# Altium PCB Length Bar Comparator.PcbDoc (part 2 of 6) (continued)
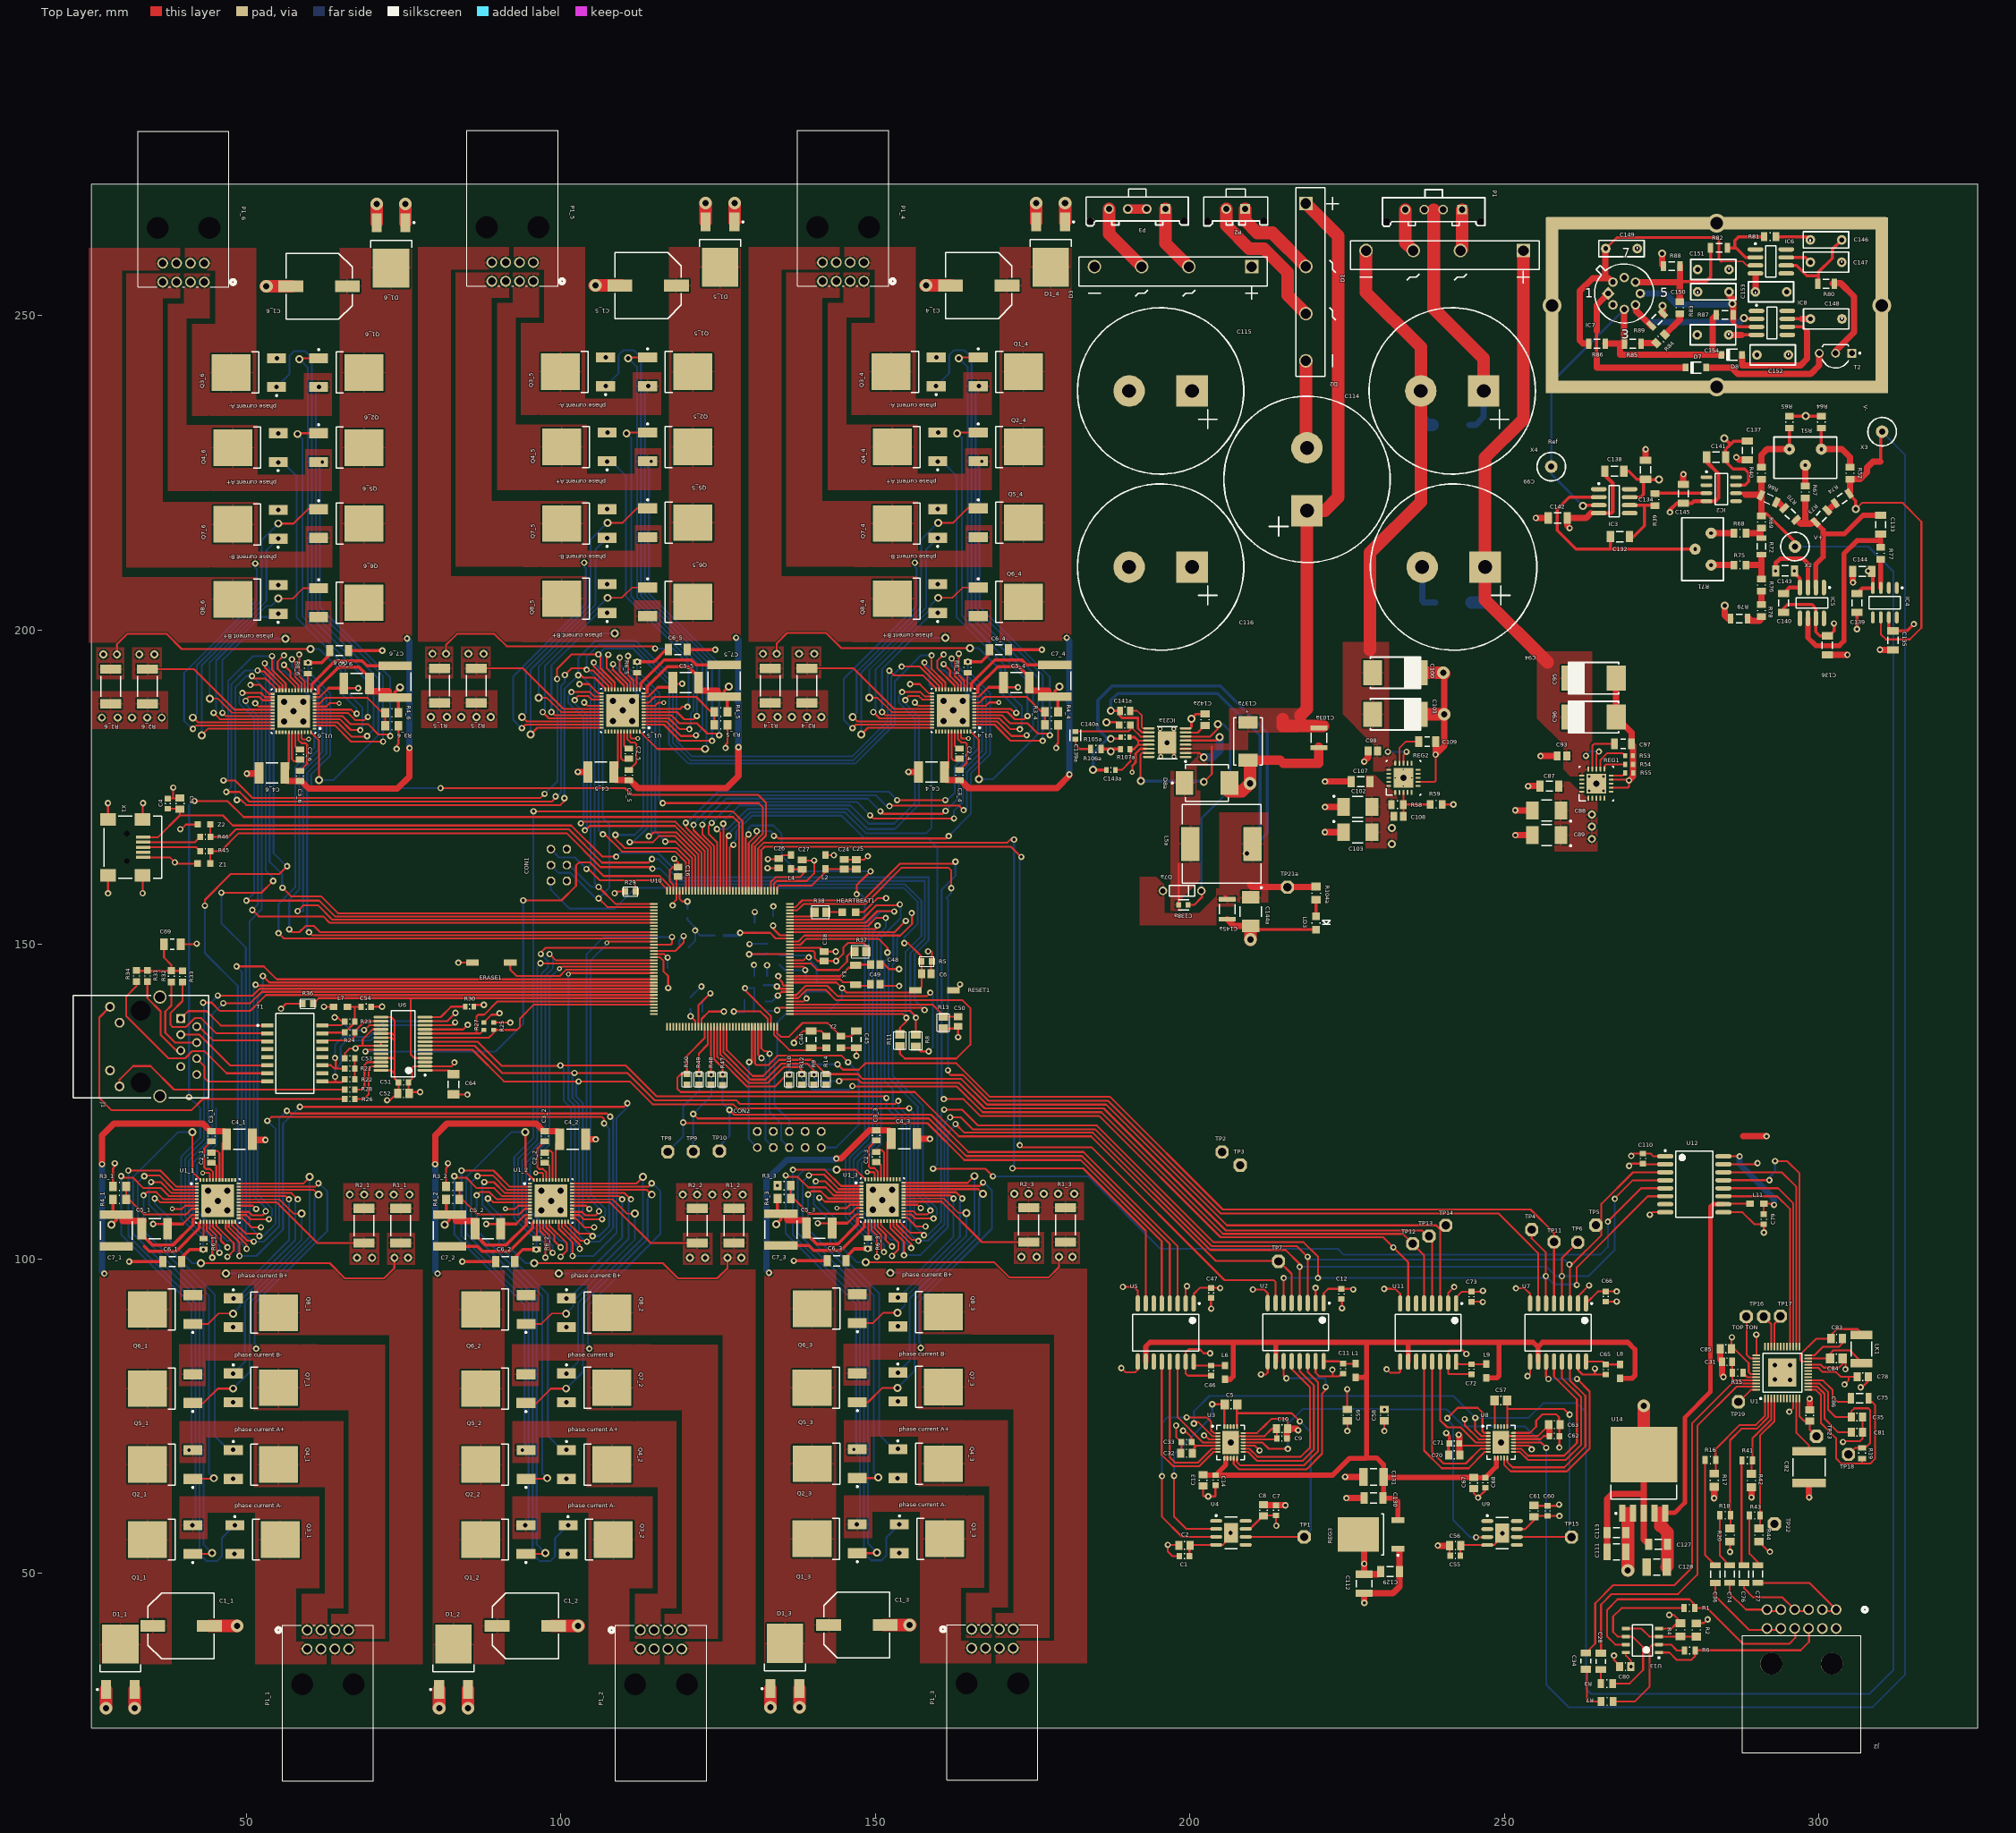
[diagram p0: Top Layer view]
## Part data (continued)
C75: library part CMP-1037-02011-1, "CAP 330pF 100V ±1% 1206 (3216 Metric) Thickness 1.7mm SMD", Case-EIA=1206, Case-Metric=3216, Rated Voltage="100 V", Tolerance=±1%, Max Thickness="1.7 mm", Technology=SMT
C78: library part CMP-1036-04706-1, "CAP 680nF 25V ±10% 0805 (2012 Metric) Thickness 1mm SMD", Case-EIA=0805, Case-Metric=2012, Rated Voltage="25 V", Tolerance=±10%, Max Thickness="1 mm", Technology=SMT
C84: library part CMP-1036-04654-1, "CAP 470nF 50V ±10% 0805 (2012 Metric) Thickness 1.45mm SMD", Case-EIA=0805, Case-Metric=2012, Rated Voltage="50 V", Tolerance=±10%, Max Thickness="1.45 mm", Technology=SMT
C87 C107 C113 C127 C129 C130: library part CMP-1037-04187-1, "CAP 100nF 25V ±2% 1206 (3216 Metric) Thickness 1.9mm SMD", Case-EIA=1206, Case-Metric=3216, Rated Voltage="25 V", Tolerance=±2%, Max Thickness="1.9 mm", Technology=SMT
C88 C89 C102 C103 C144a: library part CMP-2000-07295-1, "Low ESR, 22 uF, 25 V, +/- 10%, -55 to 125 degC, 2-Pin SMD, RoHS, Tape and Reel", Capacitance=22µF, ESR (Equivalent Series Resistance)=275mOhm, Lifetime @ Temp.=-, Manufacturer=AVX, Manufacturer Size Code=C, Operating Temperature=-55°C~125°C, Package / Case=2312(6032Metric), Package Description="2-Pin Surface Mount Device, Body 6 x 3.25 mm", Package Reference=CAPMP06032X28-T, Standard Package=1, Tolerance=±10%, Voltage - Rated=25V, Category=Capacitors, Datasheet URL=http://datasheets.avx.com/TPS.pdf, Datasheet Version=01/2017, Family=TantalumCapacitors, Featured Product=TPSCapacitors, Features=GeneralPurpose, Lead Spacing=-, Manufacturer URL=http://www.avx.com/, Mounting Technology=SurfaceMount, Mounting Type=SurfaceMount, Online Catalog=TPSSeries, Other Names=478-3102-6, Package URL=http://www.avx.com/download/software/literature/AVX-Footprint-Library.pdf, Packaging=Digi-Reel®, Product Training Modules=ComponentSolutionsforSmartMeterApplications, Series=TPS, Type=Molded
  C88 C89 C102 C103: Height - Seated (Max)="0.110\"(2.80mm)", Size / Dimension="0.236\"Lx0.126\"W(6.00mmx3.20mm)"
C93 C97 C98 C108 C109: library part Cap, "Capacitor", LatestRevisionDate=17-Jul-2002, LatestRevisionNote="Re-released for DXP Platform.", PackageDescription="Radial Cap, Thru-Hole; 2 Leads; 0.3 in Pin Spacing", PackageReference=RAD-0.3, Published=8-Jun-2000, Publisher="Altium Limited"
C95 C96 C100 C101: library part "Polar Capacitor"
C103a C145a: library part CMP-2000-07444-1, "Chip Capacitor, 10 uF, +/- 10%, 50 V, -55 to 125 degC, 1210 (3225 Metric), RoHS, Tape and Reel", Capacitance=10uF, Case/Package=1210, Case Code (Metric)=3225, Dielectric=X7S, Manufacturer=TDK, Max Operating Temperature=125degC, Min Operating Temperature=-55degC, Package Description="2-Pin Surface Mount Device, Body 3.2 x 2.5 mm", Package Quantity=1, Tolerance=10%, Voltage=50V, Case Code (Imperial)=1210, Composition=Ceramic, Datasheet URL=https://product.tdk.com/info/en/catalog/datasheets/mlcc_automotive_general_en.pdf, Datasheet Version=12/2014, Depth=2.5mm, Height=2.5mm, Lead Free=LeadFree, Length=3.2mm, Manufacturer URL=http://www.tdk.com/, Mounting Technology=SurfaceMount, Package Reference=1210, Packaging=TapeandReel, REACH SVHC=NoSVHC, RoHSCompliant=True, Termination=SMD/SMT, Thickness=0.11inch, Voltage Rating=50V, Voltage Rating (DC)=50V, Weight=0.000564oz, Width=0.098inch
C111 C112: library part CMP-1038-02218-1, "CAP 10uF 16V ±20% 1210 (3225 Metric) Thickness 2.3mm SMD", Case-EIA=1210, Case-Metric=3225, Rated Voltage="16 V", Tolerance=±20%, Max Thickness="2.3 mm", Technology=SMT
C128 C131: library part CMP-1038-02302-1, "CAP 100uF 6.3V ±20% 1210 (3225 Metric) Thickness 2.8mm SMD", Case-EIA=1210, Case-Metric=3225, Rated Voltage="6.3 V", Tolerance=±20%, Max Thickness="2.8 mm", Technology=SMT
C132 C133: library part CMP-1037-02455-1, "CAP 1nF 50V ±20% 1206 (3216 Metric) Thickness 1mm SMD", Case-EIA=1206, Case-Metric=3216, Rated Voltage="50 V", Tolerance=±20%, Max Thickness="1 mm", Technology=SMT
C134 C135 C136 C137 C138 C139 C140 C141 C142 C143 C144 C145: library part CMP-1037-04724-1, "CAP 1uF 50V -20% to +80% 1206 (3216 Metric) Thickness 1.05mm SMD", Case-EIA=1206, Case-Metric=3216, Rated Voltage="50 V", Tolerance="-20% to +80%", Max Thickness="1.05 mm", Technology=SMT
C137a: library part CMP-04424-000020-1, "CAP TANT 10UF 20% 35V 2917", Capacitance=10uF, Leakage Current=3.5uA, Manufacturer=AVX, Package=TAJD, Temperature="-55°C to +125°C", Temperature Range High=+125°C, Temperature Range Low=-55°C, Tolerance=20%, Voltage Rating=35V, Automotive=No, Category=Cap, ComponentLink2Description=Datasheet, ComponentLink2URL=http://datasheets.avx.com/TAJ.pdf, Device Class L1="Passive Components", Device Class L2=Capacitors, Device Class L3="Tantalum Capacitors", Digikey Description="CAP TANT 10UF 20% 35V 2917", Dissipation Factor=6%, ESR=1O, Footprint Url=http://www.avx.com/download/software/literature/AVX-Footprint-Library.pdf, Height=3.1mm, Lead Free=Yes, Life=1000Hours, Manufacturer Part Number=TAJD106M035RNJ, Material=Tantalum, Mouser Description="Cap Tant Solid 10uF 35V D CASE 20% (7.3 X 4.3 X 2.9mm) Inward L SMD 7343-31 1 Ohm 125C T/R", Octopart=https://octopart.com/tajd106m035rnj-avx-3819655, RoHS=TRUE
C138a: library part CMP-03422-000082-1, "CAP CER 0.68UF 16V X7R 0603", Capacitance="680 nF", Manufacturer=YAGEO, Package=CC0603-DA, Temperature="-55°C to +125°C", Temperature Characteristic=X7R, Temperature Coefficient=15%, Temperature Range High=+125°C, Temperature Range Low=-55°C, Tolerance=0.1, Voltage="16 V", Automotive=No, Category=Cap, ComponentLink2Description=Datasheet, ComponentLink2URL=http://www.yageo.com/documents/recent/UPY-GPHC_X7R_6.3V-to-50V_18.pdf, Device Class L1="Passive Components", Device Class L2=Capacitors, Device Class L3="Ceramic Capacitors", Digikey Description="CAP CER 0.68UF 16V X7R 0603", Footprint Url=http://www.yageo.com/exep/pages/download/literatures/UPY-C_GEN_24.pdf, Height=0.9mm, Lead Free=Yes, Manufacturer Part Number=CC0603KRX7R7BB684, Material=Ceramic, Mouser Description="0603 16 V 680 nF X7R ±10% Tolerance Multilayer Ceramic Capacitor", Octopart=https://octopart.com/cc0603krx7r7bb684-yageo-21707056, RoHS=TRUE, Voltage Rating="16 V"
C139a: library part CMP-03020-006967-1, "CAP CER 4700PF 50V NP0 0603", Capacitance="4,700 pF", Manufacturer=KEMET, Package=C0603C-CF, Temperature="-55°C to +125°C", Temperature Characteristic=C0G, Temperature Coefficient=30ppm/°C, Temperature Range High=+125°C, Temperature Range Low=-55°C, Tolerance=0.02, Voltage Rating="50 V", Automotive=Yes, Automotive Grade="Grade 1", Category=Cap, ComponentLink2Description=Datasheet, ComponentLink2URL=https://api.kemet.com/component-edge/download/datasheet/C0603C100J5GACAUTO.pdf, Device Class L1="Passive Components", Device Class L2=Capacitors, Device Class L3="Ceramic Capacitors", Digikey Description="CAP CER 4700PF 50V NP0 0603", Height=0.87mm, Lead Free=Yes, Manufacturer Part Number=C0603C472G5GACTU, Material=Ceramic, Mouser Description="Multilayer Ceramic Capacitors MLCC - SMD/SMT 50volts 4700pF 2% C0G", Octopart=https://octopart.com/c0603c472g5gactu-kemet-19050074, RoHS=TRUE
C140a: library part CMP-1035-01675-1, "CAP 470pF 50V ±5% 0603 (1608 Metric) Thickness 1mm SMD", Case-EIA=0603, Case-Metric=1608, Rated Voltage="50 V", Tolerance=±5%, Max Thickness="1 mm", Technology=SMT
C141a: library part CMP-1036-04400-1, "CAP 100nF 16V ±5% 0805 (2012 Metric) Thickness 1mm SMD", Case-EIA=0805, Case-Metric=2012, Rated Voltage="16 V", Tolerance=±5%, Max Thickness="1 mm", Technology=SMT
C142a: library part CMP-1036-04731-1, "CAP 1uF 6.3V ±10% 0805 (2012 Metric) Thickness 1.45mm SMD", Case-EIA=0805, Case-Metric=2012, Rated Voltage="6.3 V", Tolerance=±10%, Max Thickness="1.45 mm", Technology=SMT
C143a: library part CMP-1035-00889-1, "CAP 27pF 50V ±10% 0603 (1608 Metric) Thickness 1mm SMD", Case-EIA=0603, Case-Metric=1608, Rated Voltage="50 V", Tolerance=±10%, Max Thickness="1 mm", Technology=SMT
C147 C148 C149 C150 C151 C152 C153 C154: library part BFC247076104
CON1: library part CON06, "CONNECTOR", OC_FARNELL=unknown, OC_NEWARK=unknown
CON2: library part CON10, "CONNECTOR", OC_FARNELL=unknown, OC_NEWARK=unknown
D1 D2 D3: library part CMP-1229-00001-1, "Glass Passivated Bridge Rectifier, 10 A, -65 to 150 degC, 4-Pin THD (GBJ), Tube", Manufacturer="Diodes Inc", Operating Temperature="-65 to 150 degC", Voltage-Peak Reverse="600 V Max.", ComponentLink1Description="Manufacturer URL", ComponentLink1URL=http://www.diodes.com/, ComponentLink2Description=Datasheet, ComponentLink2URL=http://diodes.com/datasheets/ds21218.pdf, ComponentLink3Description="Package Specification", ComponentLink3URL=http://diodes.com/datasheets/ds21218.pdf, CT="55 pF", DatasheetVersion="Rev. 7", IFSM="170 A", IO="10 A", Mounting Technology="Through Hole", PackageDescription="4-Pin Through Hole Device, Body 30 x 4.6 mm, Height 24 mm", Packing=Tube, PartNumber=GBJ1006, VFM="1.05 V", VR(RMS)="420 V"
D1_1 D1_2 D1_3 D1_4 D1_5 D1_6: library part CMP-1055-00174-1, "SWITCHMODE(TM) Schottky Power Rectifier, 3-Pin DPAK, Pb-Free, Tube", Manufacturer="On Semiconductor", ComponentLink1Description="Manufacturer URL", ComponentLink1URL=http://www.onsemi.com/, ComponentLink2Description=Datasheet, ComponentLink2URL=http://www.onsemi.cn/pub_link/Collateral/MBRB1045-D.PDF, ComponentLink3Description="Package Specification", ComponentLink3URL=http://www.onsemi.cn/pub_link/Collateral/369C.PDF, Configuration=Single, DatasheetVersion="Rev. 8", IFSM Max (A)=70, Mounting Technology="Surface Mount", Note1=0, PackageDescription="3-Pin Flange Mount, Body 6.54 x 6.095 mm, Pitch 2.29 mm", PackageReference=DPAK-3-369C-01, PackageVersion="Rev. E, 02/2014", Packing=Tube, PartNumber=MBRD1045G, RoHS=TRUE
D7 D8: library part CMP-0862-00001-1, "Switching Diode, 500 mW, 100 V, -55 to 150 degC, SOD123, RoHS, Tape and Reel", Manufacturer="Micro Commercial Components", Operating Temperature Range="-55 to 150 degC", Typical Junction Capacitance="4 pF", ComponentLink1Description="Manufacturer URL", ComponentLink1URL=http://www.mccsemi.com/, ComponentLink2Description=Datasheet, ComponentLink2URL=http://www.mccsemi.com/up_pdf/1N4448W(SOD-123).pdf, ComponentLink3Description="Package Specification", ComponentLink3URL=http://www.mccsemi.com/up_pdf/1N4448W(SOD-123).pdf, DatasheetVersion="Rev. C", FV="1 V Max.", IF (AV)="250 mA", IR="25 nA", Mounting Technology="Surface Mount", PackageDescription="2-Pin SOD123, Body 2.7 x 1.6 mm, Height 1.35 mm", PackageReference=SOD123, PackageVersion="Rev. C", Packing="Tape and Reel", PartNumber=1N4448W-TP, PD="500 mW", RoHS=TRUE, Trr="4 nS", VRM (PRV)="100 V"
D7a: library part CMP-2000-06494-1, "Glass Axial Switching Diode, 200 mA, 100 V, 2-Pin DO-35, RoHS, Bulk", Breakdown Voltage=100V, Manufacturer=Microsemi, Operating Temperature=-65to200°C, Output Current=0.2A, Package=2DO-35, Package Description="2-Pin Axial Lead, Dia 1.665 mm, Body Length 4.065 mm", Package Reference=DO-35-2, PartNumber=1N4148-1, Peak Forward Voltage=1.2@0.1AV, Peak Reverse Current=0.5uA, Peak Reverse Repetitive Voltage=75V, Configuration=Single, Datasheet URL=http://www.microsemi.com/document-portal/doc_download/125211-lds-0281, Datasheet Version="Rev. 1, 11/2012", Manufacturer URL=http://www.microsemi.com/, Mounting=ThroughHole, Mounting Technology=ThroughHole, Packaging=Bulk, Peak Average Forward Current=0.2A, Peak Reverse Recovery Time=5ns, Rad Hard=No, Type=SwitchingDiode
D8a: library part CMP-1055-00379-1, "200 V, 3 A Schottky Fast Soft-Recovery Power Rectifier, 2-Pin SMC, Pb-Free, Tape and Reel", Manufacturer="On Semiconductor", ComponentLink1Description="Manufacturer URL", ComponentLink1URL=http://www.onsemi.com/, ComponentLink2Description=Datasheet, ComponentLink2URL=http://www.onsemi.cn/pub_link/Collateral/MBRS3201T3-D.PDF, ComponentLink3Description="Package Specification", ComponentLink3URL=http://www.onsemi.com/pub_link/Collateral/403-03.PDF, Configuration=Single, DatasheetVersion="Rev. 3", IFSM Max (A)=100, Mounting Technology="Surface Mount", PackageDescription="2-Pin Small Molded Package, J-Bend Lead, Body 5.845 x 6.855 mm", PackageReference=SMC-2-403-03, PackageVersion="Rev. E, 08/2005", Packing="Tape and Reel", PartNumber=MBRS3201T3G, RoHS=TRUE, trr Max (ns)=35
HEARTBEAT1: library part LED0805, "LED0603 - 0603 Surface Mount Package    2mA: Green LED - Low Power (3.9mcd, 2ma, 1.7Vf) - Digikey: 475-2709-2-ND  Orange LED - Low Power (9.8mcd, 2ma, 1.8Vf) - Digikey: 475-1194-2-ND  Red LED - Low Power (5mcd, 2ma, 1.8Vf) - Digikey: 475-1195-2-ND  Yellow LED - Low Power (7mcd, 2ma, 1.8Vf) - Digikey: 475-1196-2-ND       5mA: Blue LED - Low Power (17mcd, 5ma, 2.9Vf) - Digikey: LNJ937W8CRACT-ND    0805 - 0805 Surface Mount Package    2mA: Red LED (8.8mcd, 2mA, 1.8Vf, Clear) - Low Power [Digikey: 475-2510-1-ND]  Green LED (5mcd, 2mA, 1.8Vf, Clear) - Low Power [Digikey: 475-2730-1-ND]  Yellow LED (11.3mcd, 2mA, 1.8Vf, Clear) - Low Power [Digikey: 475-2555-1-ND]       20mA: Red LED (104mcd, 20mA, Diffused) - LS R976 [Digikey: 475-1278-6-ND]  Red LED (12mcd, 20mA, 2.0Vf, Clear) - APT2012EC [Digikey: 754-1128-1-ND]  Green LED (15mcd, 20mA, 2.2Vf, Clear) - APT2012GC [Digikey: 754-1131-1-ND]  Orange LED (160mcd, 20mA, 2.1Vf, Clear) - APT2012SECK [Digikey: 754-1130-1-ND]     1206 - 1206 Surface Mount Package  Green LED (26mcd, 20mA, Diffused) - LG N971  [Digikey: 475-1407-6-ND]  Red LED (15mcd, 20mA, Diffused) - LH N974 [Digikey: 475-1416-6-ND]"
IC2 IC4: library part BUF634
IC3 IC5: library part CMP-0359-03090-2, "Single Channel, Zero-Drift Operational Amplifier with Internal Capacitors, 2.5 MHz Typical GBW, 3 V/us Typical SR, 4.75 to 32 V, 8-Pin SOIC (S8-8), Commercial", Linear Technology Part Number=LTC1150, Manufacturer="Linear Technology", Channels (#)=1, ComponentLink1Description="Manufacturer URL", ComponentLink1URL=http://www.linear.com/, ComponentLink2Description=Datasheet, ComponentLink2URL=http://cds.linear.com/docs/en/datasheet/1150fb.pdf, ComponentLink3Description="Package Specification", ComponentLink3URL=http://cds.linear.com/docs/en/packaging/05081610_G_SO8.pdf, DatasheetVersion="Rev. B", GBW (MHz) Typical=2.5, Is (mA) Typical=0.8, Mounting Technology="Surface Mount", PackageDescription="8-Pin Plastic Small Outline, Body 4.9 x 3.9 mm, Pitch 1.27 mm", PackageReference=LT-S8-8, PackageVersion="Rev G", PartNumber=LTC1150CS8, RevisionNote="URLs updated", SR (V/us) Typical=3, Type=ZD, Vos (mV) Typical=0.0005, Vs Max (V)=32, Vs Min (V)=4.75
IC6 IC8: library part CMP-0359-03028-2, "Single Channel, Low Vos Stable Operational Amplifier, 1 MHz Typical GBW, 0.2 V/us Typical SR, 2.4 to 40 V, 8-Pin SOIC (S8-8), Commerical, Pb-Free, Reel", Linear Technology Part Number=LT1012, Manufacturer="Linear Technology", Channels (#)=1, ComponentLink1Description="Manufacturer URL", ComponentLink1URL=http://www.linear.com/, ComponentLink2Description=Datasheet, ComponentLink2URL=http://cds.linear.com/docs/en/datasheet/1012afbs.pdf, ComponentLink3Description="Package Specification", ComponentLink3URL=http://cds.linear.com/docs/en/packaging/05081610_G_SO8.pdf, DatasheetVersion="Rev. B", GBW (MHz) Typical=1, Is (mA) Typical=0.37, Mounting Technology="Surface Mount", PackageDescription="8-Pin Plastic Small Outline, Body 4.9 x 3.9 mm, Pitch 1.27 mm", PackageReference=LT-S8-8, PackageVersion="Rev G", Packing=Reel, PartNumber=LT1012ACS8#TRPBF, RevisionNote="URLs updated", RoHS=Pb-Free, SR (V/us) Typical=0.2, Type=VFB, Vos (mV) Typical=0.008, Vs Max (V)=40, Vs Min (V)=2.4
IC7: library part LTZ1000A
IC21a: library part CMP-0491-00607-1, "High Voltage 3 A, 200 kHz Step-Down Switching Regulator with 100 uA Quiescent Current, 16-pin SOP (FE-16-EPV-BC), -40 to 125 degC, Pb-Free", Frequency Sync Range="230kHz - 500kHz", Manufacturer="Linear Technology", ComponentLink1Description="Manufacturer URL", ComponentLink1URL=http://www.linear.com/, ComponentLink2Description=Datasheet, ComponentLink2URL=http://cds.linear.com/docs/en/datasheet/3434fb.pdf, ComponentLink3Description="Package Specification", ComponentLink3URL=http://cds.linear.com/docs/en/packaging/05081663__J_FE16(BC).pdf, DatasheetVersion="Rev. B", Mounting Technology="Surface Mount", Number of Outputs=1, PackageDescription="16-Pin Plastic TSSOP, Body 5 x 4.4 mm, Pitch 0.65 mm", PackageReference=FE-16, PackageVersion="Rev. J, 11/2012", PartNumber=LT3434EFE#PBF, RoHS=TRUE
J1: library part CMP-2000-05321-1, "10/100 Base-TX RJ45 1 x 1 Tab-Down with LEDs Integrated Magnetics Connector, 0 to 70 degC, 12-Pin THD, RoHS, Tube", Manufacturer=Pulse, Package Description="12-Pin Through Hole Device, Body 16.26 x 21.59 mm, Pitch 1.27 mm", Body Orientation=RightAngle, Category=ConnectorTelephoneandTelecom, Datasheet URL=http://datasheet.octopart.com/J0011D21BNL-Pulse-datasheet-120436.pdf, Datasheet Version="Rev. D, 05/2006", Gender=F, Manufacturer URL=http://www.pulseelectronics.com/, Mounting=ThroughHole, Number of Contacts=8, Package Reference=J0011D21BNL, Pitch=2.54mm, Termination Method=Solder, Type=RJ-45
J2: library part 1318772-2, "025 CAP HSG ASSY 12P", Built_By=EMA_UL_Team, Copyright="Copyright (C) 2016 Accelerated Designs. All rights reserved", Manufacturer_Part_Number=1318772-2, PITCH(MM)=0.087, POSITIONS=12, Product=-, RefDes=RefDes, ROWS/CONFIG=2, TE_Part_Number=1318772-2, Type=DEV, Vendor="TE Connectivity"
L1 L2 L3 L4 L5 L6 L7 L8 L9 L11: library part WE-CBF_0805, "SMD EMI Suppression Ferrite Beads - excellent anti-EMI properties - low DCR - impedances till 3000 ohms - rated current up to 6 A"
L5a: library part CMP-0227-00710-1, "SMD-Shielded Power Inductor WE-PD, L = 33.0 µH", Inductance="33.0 µH", ComponentLink1Description="Manufacturer Link", ComponentLink1URL=http://www.we-online.com, ComponentLink2Description=Datasheet, ComponentLink2URL=http://www.we-online.de/katalog/media/pdf/7447715330.pdf, DatasheetVersion="ver 1, Nov-2008", PackageDescription="SMD Inductor, 2-Leads, Body 12.0 x 12.0 mm", PackageReference=WE-PD-LS, PackageVersion=2008
LD3: library part CMP-1724-00001-1, "LED, GREEN, 565 nm, 2 V, -25 to 80 degC, 2-Pin SMD, RoHS, Tape and Reel", Case\/Package=0805, Case Code (Metric)=2012, Max Operating Temperature="85 degC", Min Operating Temperature="-25 degC", Package Quantity=4000, Case Code (Imperial)=0805, ComponentLink1Description="Manufacturer URL", ComponentLink1URL=http://www.lumexinstruments.com/, ComponentLink2Description=Datasheet, ComponentLink2URL=http://www.lumex.com/content/files/ProductAttachment/SML-LXT0805GW-TR.pdf, DatasheetVersion="Rev. F, 09/2009", Length="2 mm", Mount="Surface Mount", Mounting Technology="Surface Mount", PackageDescription="2-Pin Surface Mount Device, Body 2 x 1.25 mm", PackageReference=SML-LXT0805, Packaging="Tape and Reel", REACH SVHC="No SVHC", RoHSCompliant=true, Width="1.25 mm"
LK1: library part CMP-1016-00001-1, "Jumper 1812 (4532 Metric)", Case-EIA=1812, Case-Metric=4532, Power=None, Technology=SMT, Tolerance=None
P1 P3: library part HEADER_POS4_?43650-0415
P1_1 P1_2 P1_3 P1_4 P1_5 P1_6: library part 1-1376350-9, "025 8POS CAP ASSY H TIN", Built_By=Digital_Papaya_Team, Copyright="Copyright (C) 2018 Accelerated Designs. All rights reserved", Datasheet=https://www.te.com/commerce/DocumentDelivery/DDEController?Action=showdoc&DocId=Customer+Drawing%7F1376350%7FD5%7Fpdf%7FJapanese%7FJPN_CD_1376350_D5.pdf%7F1-1376350-2, Manufacturer_Part_Number=1-1376350-9, PITCH(MM)=0.087, POSITIONS=8, Product=-, RefDes=RefDes, ROWS/CONFIG=2, TE_Part_Number=1-1376350-9, Type=DEV, Vendor="TE Connectivity"
P2: library part HEADER_POS2_?43650-0215
Q1_1 Q1_2 Q1_3 Q1_4 Q1_5 Q1_6 Q2_1 Q2_2 Q2_3 Q2_4 Q2_5 Q2_6 Q3_1 Q3_2 Q3_3 Q3_4 Q3_5 Q3_6 Q4_1 Q4_2 Q4_3 Q4_4 Q4_5 Q4_6 Q5_1 Q5_2 Q5_3 Q5_4 Q5_5 Q5_6 Q6_1 Q6_2 Q6_3 Q6_4 Q6_5 Q6_6 Q7_1 Q7_2 Q7_3 Q7_4 Q7_5 Q7_6 Q8_1 Q8_2 Q8_3 Q8_4 Q8_5 Q8_6: library part CMP-1058-00298-1, "Power MOSFET, 30 V, 35 A, Single N-Channel, 3-Pin DPAK, Pb-Free, Tape and Reel", Manufacturer="On Semiconductor", Package Type="DPAK-3, IPAK-3", Channel Polarity="N Channel", Ciss Typ (pF)=770, ComponentLink1Description="Manufacturer URL", ComponentLink1URL=http://www.onsemi.com/, ComponentLink2Description=Datasheet, ComponentLink2URL=http://www.onsemi.cn/pub_link/Collateral/NTD4815N-D.PDF, ComponentLink3Description="Package Specification", ComponentLink3URL=http://www.onsemi.cn/pub_link/Collateral/369AA.PDF, Configuration=Single, Coss Typ (pF)=181, Crss Typ (pF)=108, DatasheetVersion="Rev. 7", ID Max (A)=35, Mounting Technology="Surface Mount", PackageDescription="3-Pin Flange Mount, Body 6.54 x 6.095 mm, Pitch 2.29 mm", PackageReference=DPAK-3-369AA-01, PackageVersion="Rev. B, 06/2010", Packing="Tape and Reel", PartNumber=NTD4815NT4G, Qrr Typ (nC)=5.5, RoHS=Pb-Free, V(BR)DSS Min (V)=30, VGS(th) Max (V)=2.5, VGS Max (V)=20